# KiCad board Stream.kicad_pcb (continued)
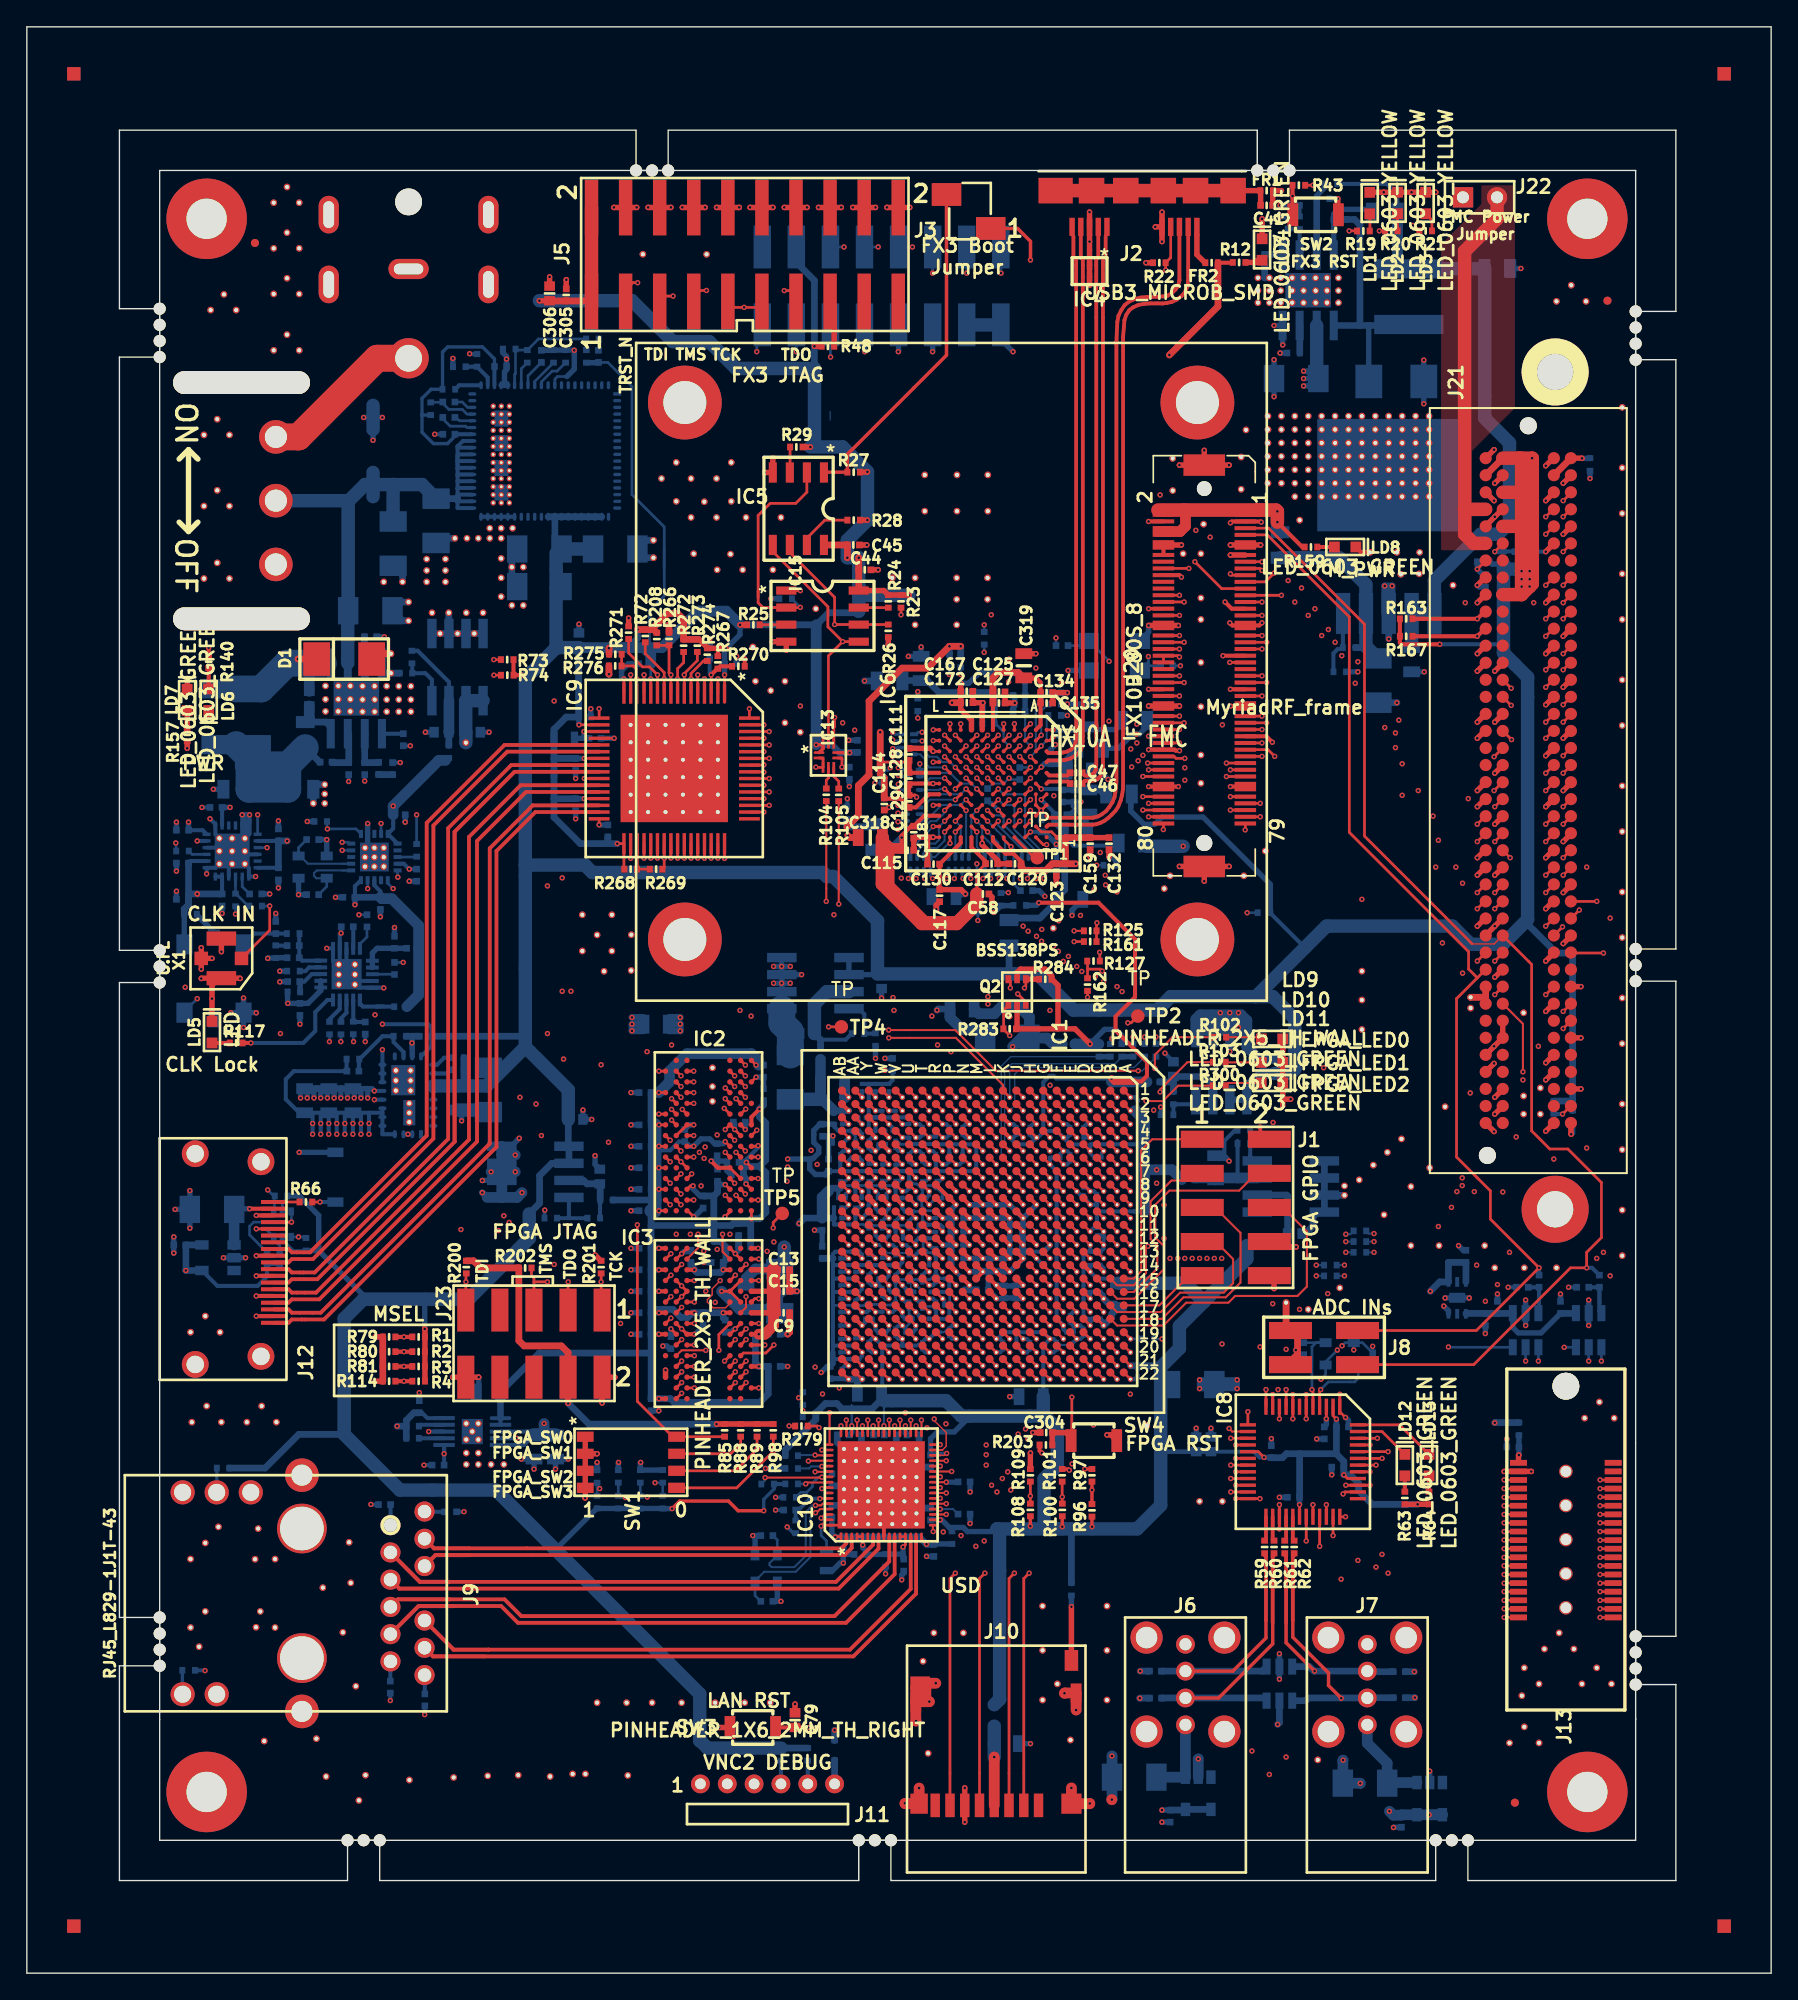
[diagram p0: board, top side]
## Routing (per net, layer and track width the routed paths; a pad name or vN(x,y) marks a point on that pad's centre or on a via; arc(x,y) is an arc through that point) (continued)
  Top w0.25: v1(83.6,101.65) 83.6,101.65 J20.28 ; v1(66.31,87.61) 66.17,87.75 C129.2 ; v1(64.26,86.85) 64.06,86.65 C114.2 ; v1(77.69,37.47) 77.6,37.56 R101.1 ; R97.1 v1(78.84,37.56)
  Top w0.28: GND_VIA#123.1 63.88,33.18 IC10.9
  Top w0.3: v1(89.7,108.05) 89.8,108.15 J20.5 91.95,108.15 v1(92,108.1) ; v1(85.9,91.07) 85.62,91.07 85.55,91.15 J20.62 83.6,91.15 ; v1(51,60.5) 51.5,60 IC2.E3 ; v1(89.65,100.6) 89.85,100.4 J20.83 91.85,100.4 v1(92.05,100.6) ; v1(89.3,102.15) 89.8,101.65 J20.27 ; v1(83.6,95.65) 83.6,95.65 J20.48 ; v1(92.82,91.7) 92.38,92.15 J20.57 ; v1(86.05,104) 85.9,104.15 J20.18 ; LD8.2 99.45,105.85 GND_VIA#211.1 ; v1(83.6,108.15) 83.6,108.15 J20.6 ; v1(17.1,50.45) J12.5 ; J20.85 v1(89.7,94.4) ; IC1.M13 IC1.M13 ; IC1.H12 IC1.H12 ; IC1.J15 IC1.J15 ; IC1.K3 IC1.K3 ; IC1.K16 IC1.L15 IC1.L15 ; IC1.R13 IC1.R13 ; IC1.N15 IC1.N15 ; IC1.P8 IC1.P8 ; IC1.J9 IC1.J9 ; v1(17.1,48.95) J12.2 ; IC1.K12 IC1.K12 ; v1(67.55,88.62) 65.82,88.62 C128.2 C129.2 ; IC1.C14 IC1.C14 ; IC1.N13 IC1.N13 ; IC1.N12 IC1.N12 ; IC1.M11 IC1.M11 ; IC1.L13 IC1.L13 ; IC1.L3 IC1.L3 ; J20.47 v1(89.7,95.65) ; IC3.J3 v1(49.75,47.6) ; IC1.M12 IC1.M12 ; J20.37 v1(89.15,98.15) ; LD11.2 93.6,65.7 ; IC1.H13 IC1.H13 ; IC1.K13 IC1.K13 ; v1(17.1,51.95) J12.8 ; IC1.K11 IC1.K11 ; J20.87 v1(89.7,88.4) ; IC1.N3 IC1.N3 ; R270.1 v1(53.5,97.91) ; v1(85.82,88.4) J20.88 v1(83.6,88.4) ; IC1.R9 IC1.R9 ; IC1.L10 IC1.L10 ; IC1.N10 IC1.N10 ; IC1.K10 IC1.K10 ; IC1.L11 IC1.L11 ; v1(17.1,56.45) J12.17 ; IC1.M10 IC1.M10 ; IC1.N11 IC1.N11 ; J20.12 J20.82 ; IC1.L12 IC1.L12 ; v1(17.1,53.45) J12.11
  Top w0.4: 113.75,79.84 v1(113.2,79.3) ; 115.07,81.07 v1(114.5,80.5) ; 115.07,77.28 v1(114.5,76.7) ; 113.81,76 v1(113.2,75.4) ; 113.75,83.66 v1(113.2,83.1) ; 115.07,84.88 v1(114.5,84.3) ; 113.76,87.47 v1(113.2,86.9) ; 115.07,88.68 v1(114.5,88.1) ; 113.77,91.28 v1(113.2,90.7) ; 115.05,92.54 v1(114.5,92) ; 113.79,95.08 v1(113.2,94.5) ; 115.06,96.36 v1(114.5,95.8) ; 113.8,98.89 v1(113.2,98.3) ; 115.06,100.17 v1(114.5,99.6) ; 113.81,106.5 v1(113.2,105.9) ; 115.07,107.78 v1(114.5,107.2) ; 113.81,110.31 v1(113.2,109.7) ; 115.07,111.58 v1(114.5,111) ; 113.76,112.86 v1(113.2,112.3) ; 108.68,78.57 v1(108.1,78) ; 109.98,78.57 v1(109.4,78) 108.73,77.32 J21.C12 ; 109.99,82.38 v1(109.4,81.8) ; 108.69,82.38 v1(108.1,81.8) ; 108.65,83.66 v1(108.1,83.1) ; 108.67,87.47 v1(108.1,86.9) ; 108.73,88.72 v1(108.1,88.1) ; 110,90 v1(109.4,89.4) ; 108.64,92.54 v1(108.1,92) ; 110,93.79 v1(109.4,93.2) ; 108.71,93.81 v1(108.1,93.2) ; 110,97.59 v1(109.4,97) ; 108.69,98.89 v1(108.1,98.3) ; 108.7,102.7 v1(108.1,102.1) ; 108.68,103.97 v1(108.1,103.4) ; 109.95,109.06 v1(109.4,108.5) 108.73,107.83 J21.C36 ; 109.96,74.76 v1(109.4,74.2) ; 113.79,68.41 v1(113.2,67.82) ; 113.8,67.15 v1(113.2,66.55) ; 113.81,63.33 v1(113.2,62.72) ; 113.77,72.22 v1(113.2,71.65) ; v1(55.6,112.88) 55.59,112.87 IC5.4 v1(55,111.8) ; v1(55.55,99.2) 55.56,99.19 IC15.4 v1(56.6,98.58) ; v1(110.1,37.38) 110.11,37.38 J13.3 112.12,37.38 v1(112.12,37.38) ; J1.10 92.95,51.62 v1(92.95,51) ; v1(43.82,44.4) 43.82,44.4 J23.2 v1(42.88,42.47) ; v1(31.75,44.4) 31.75,44.4 J23.10 33.67,44.4 v1(33.68,44.4) ; v1(67.55,91.03) 67.33,91.25 C111.2 ; C58.2 71.93,80.18 v1(71.93,79.78) ; 67.13,84.62 66.17,84.62 C118.2 C115.2 ; 67.13,84.62 v1(67.55,84.62) ; 67.13,84.62 C130.2 ; v1(67.78,79.25) 67.78,79.57 68.03,79.82 C117.2 ; v1(91.95,106.4) 91.95,106.4 J20.81 89.7,106.4 v1(89.7,106.4) ; v1(109.35,113.5) 108.73,112.88 J21.C40 ; J20.82 84.72,106.4 v1(86.05,106.4) ; J21.C5 109.35,69.04 v1(109.35,69.05) 109.99,69.69 J21.D6 110,70.96 ; v1(109.35,67.78) 108.73,67.15 J21.C4 ; v1(109.4,65.25) 110,65.84 J21.D3 ; v1(109.4,64) 110,64.59 J21.D2 ; v1(109.35,62.7) 108.73,63.32 108.73,63.34 ; v1(42.35,53.5) 42.78,53.07 R201.1 ; v1(85.9,94.4) 85.9,94.4 J20.86 83.6,94.4 v1(83.6,94.4) ; 108.73,72.7 J21.C8 ; SW2.1 97.7,131.05 v1(97.7,132.2) ; v1(83.6,100.4) 83.6,100.4 J20.84 85.82,100.4 ; v1(40.21,126.16) 40.2,126.15 C305.2 ; v1(13.55,93.3) 13.56,93.31 LD6.2 ; v1(74.8,38.75) 74.79,38.74 R109.1 ; v1(13,74.1) 13.03,74.12 X1.2 ; v1(15.9,74.1) 15.88,74.12 X1.2 ; X1.2 14.32,74.12 13.8,73.6 v1(13.8,72.6) LD5.2 ; v1(41.6,35.4) 41.62,35.42 SW1.4 SW1.3 SW1.2 ; v1(42.5,38.7) 42.5,38.69 SW1.2 ; 93.6,65.11 v1(93.6,64.62) ; 93.6,65.11 v1(94.19,65.11) ; 93.6,65.11 LD11.2 LD10.2 LD9.2 ; v1(80.5,40.1) 80.8,40.1 SW4.1 81.22,39.5 ; v1(43.75,131.55) 43.76,131.54 J5.4 45.44,131.54 v1(45.45,131.55) ; v1(48,131.55) 47.99,131.54 46.31,131.54 v1(46.3,131.55) ; v1(48.85,131.55) 48.86,131.54 50.54,131.54 v1(50.55,131.55) ; v1(53.1,131.55) 53.09,131.54 51.41,131.54 v1(51.4,131.55) ; v1(55.6,131.55) 55.59,131.54 53.91,131.54 v1(53.9,131.55) ; v1(56.45,131.55) 56.46,131.54 J5.14 58.14,131.54 v1(58.15,131.55) ; v1(60.7,131.55) 60.69,131.54 59.01,131.54 v1(59,131.55) ; v1(61.55,131.55) 61.56,131.54 63.24,131.54 v1(63.25,131.55) ; v1(65.8,131.55) 65.79,131.54 64.11,131.54 v1(64.1,131.55) ; C15.2 v1(57.4,50.8) ; v1(79.2,125.75) IC4.8 IC4.3 v1(79.2,127.85) v1(79.2,129) 79.2,130.65 ; J20.89 v1(85.9,82.45) ; J20.89 v1(89.6,82.45) ; J20.89 v1(87.75,81.35) ; J21.D39 v1(109.4,111) ; C79.2 v1(57.25,20.05) ; IC1.Y9 IC1.Y9 ; R26.2 v1(64.2,98.95) ; v1(69.9,13.8) J10.6 v1(69.9,11.25) ; J21.H6 115.81,69.69 ; J20.90 v1(87.75,113.45) ; J20.90 v1(89.6,112.35) ; J20.90 v1(85.9,112.35) ; J21.C38 v1(109.35,109.7) ; J21.H9 115.82,73.5 ; IC6.G1 71.2,94.6 v1(71.25,94.65) C172.2 C167.2 ; C125.2 C127.2 v1(73.62,94.62) ; C44.2 v1(63.45,104.55) ; v1(77.55,95.4) C134.2 C135.2 ; C120.2 C112.2 72.35,82.9 71.2,84.05 v1(71.2,84.18) ; C319.2 v1(75.2,98.3) ; SW1.2 SW1.1 ; J21.C28 v1(108.1,97) ; v1(93.5,132.8) FR1.2 92.85,132.78 C41.2 ; LD7.2 v1(11.95,96.45) ; X1.2 v1(14.5,76.1) ; J21.D19 v1(109.4,85.6) ; X1.2 v1(13.8,75.6) ; X1.2 v1(13,76.4) ; X1.2 v1(13,74.8) ; J2.5 v1(84.1,130.1) ; J2.5 v1(84.6,129) ; J2.5 v1(84.6,131.2) ; J2.8 v1(79.2,131.2) ; LD4.2 v1(92.06,130.7) ; J21.H3 v1(115.82,65.88) ; C306.2 v1(38.96,126.37) ; SW3.2 v1(51.6,18.3) ; C304.2 v1(74.97,40.28) ; C45.2 v1(62.6,106.4) ; R79.1 v1(25.95,47.4) ; IC3.N1 v1(47.6,44.93) ; J20.11 v1(89.7,105.65) ; C159.2 v1(79.25,83.15) ; 100.1,132.68 v1(101.12,132.68) v1(103.2,132.68) LD3.2 v1(105,132.68) ; J21.G32 v1(113.2,102.1) ; C132.2 v1(80.65,83.15) ; R22.2 v1(83.4,127.42) ; R114.1 v1(25.95,44.1) ; v1(76.72,81.18) C123.2
  Top w0.5: R79.1 R80.1 R81.1 R114.1 ; v1(47.84,100.44) 47.86,100.42 R266.2 ; v1(43.39,96.77) 43.38,96.78 R276.2 ; v1(61.18,84.76) 61.34,84.6 C318.2 ; v1(56.7,47.6) 56.85,47.75 C9.2 ; D1.1 26.1,98.3 GND_VIA#391.1 ; GND_VIA#58.1 108.73,72.7 J21.C9 ; J8.3 94.18,45.57 94.7,46.1 94.7,47.35 J8.1 93.85,48.2 GND_VIA#279.1 ; C13.2 C15.2
  Top w0.8: v1(67.26,20.23) 67.25,20.22 67,20.22 ; v1(66.27,18.78) 66.25,18.8 J10.0 ; v1(65.44,12.65) 65.47,12.62 J10.0 v1(66.5,13.79) ; v1(79.22,12.64) 79.21,12.62 J10.0 v1(77.85,13.8) ; v1(77.33,20.85) 77.35,20.88 J10.0 v1(78.2,19.6) ; v1(80.86,12.93) 80.86,12.92 ; J10.0 66.25,21.28 J10.0 ; J10.0 67,21.18 67,20.22 ; J10.0 v1(67.74,21.6) ; 67,20.22 J10.0
  Inner8.Cu w0.15: v1(75.6,86.62) IC6.B8 74.4,87.03 v1(74,87.43) ; v1(73.62,94.62) 73.2,94.2 v1(73.2,92.22)
  Inner4.Cu w0.1: v1(46,96.72) 45.97,96.72 ; IC1.G2 76.25,64.14
  Bottom w0.15: C168.2 71.97,88.62 72.8,88.62 v1(73.2,89.03) ; 63.53,54.25 64.12,53.65 64.47,53.65 64.65,53.47 C237.2 64.78,53.47 64.95,53.65 65.57,53.65 C289.2 ; 64.96,122.12 64.95,122.13
  Bottom w0.2: v1(73.2,89.03) 73.3,88.93 C48.2 ; v1(76.7,99.47) 76.7,99.47 C43.1 ; 65.47,48.03 65.47,48.1 66.03,48.65 C260.2 66.03,48.85 65.75,49.12 C174.2 ; C32.2 67.03,55.85 66.75,56.12 66.75,56.53 66.53,56.75 C33.2 ; IC1.N10 70.3,56.3 C240.2 ; IC1.M10 71.3,56.3 C239.2 ; IC1.L10 72.3,56.3 C235.2 ; IC1.K10 73.3,56.2 C231.2 ; 51.47,60.5 51.45,60.53 C27.2 ; v1(96.45,44.25) 96.79,44.59 XO2.2 96.79,45.54 v1(97.67,46.42) ; v1(98.02,46.74) 98.25,46.97 XO2.4 ; v1(94.57,46.42) 94.92,46.07 C61.1 ; 40.25,118.95 39.55,118.95 39.35,118.75 IC22.68 ; 78.2,86.75 78.21,86.76 ; v1(100.3,46.7) C60.1 99.54,46.97 XO2.4 ; C222.2 C223.2 ; C221.2 69.77,55.25 ; C42.1 v1(85.97,97.4) ; XO2.4 v1(98.89,46.43) ; R34.1 v1(71.35,100.45)
  Bottom w0.25: v1(57.52,42.87) 57.83,43.18 R107.1 ; IC1.C5 80.09,61.09 C258.2
  Bottom w0.3: C248.2 65.97,61.25 IC1.U5 66.53,61.25 C272.2 ; 77.97,48.25 C250.2 ; 77.97,48.25 78.03,48.25 C273.2 ; 77.97,48.25 IC1.E18 78.53,48.25 C279.2 ; C255.2 77.53,61.25 IC1.F5 77.03,61.03 C276.2 ; v1(84.5,64.53) 84.51,64.52 R134.2 ; C36.2 62.97,61.25 IC1.Y5 63.47,61.47 C280.2 ; IC1.Y15 63.47,51.47 C288.2 ; IC1.Y15 62.97,51.25 C251.2 ; IC1.Y15 63.53,51.25 C242.2 ; C232.2 78.97,63.25 IC1.D3 ; C236.2 77.53,63.25 IC1.F3 ; C245.2 74.97,63.25 IC1.H3 ; C256.2 69.97,63.25 IC1.N3 ; C261.2 66.53,63.25 IC1.U3 ; C274.2 60.97,65.25 IC1.AB1 ; C285.2 63.25,56.97 IC1.Y9 ; C293.2 61.25,60.53 IC1.AB6 ; C233.2 60.97,44.25 IC1.AB22 ; C246.2 63.25,47.95 IC1.Y18 63.03,48.47 C185.2 ; C257.2 68.97,47.25 IC1.P19 ; C262.2 64.97,48.25 IC1.V18 65.47,48.03 C277.2 ; C271.2 66.97,46.25 IC1.T20 ; C284.2 76.53,46.25 IC1.G20 ; C290.2 72.53,46.25 IC1.L20 ; C292.2 74.53,47.25 IC1.J19 ; C234.2 82.55,44.25 IC1.A22 ; C243.2 80.25,52.53 IC1.C14 ; C247.2 80.25,50.53 IC1.C16 ; C252.2 80.25,48.53 IC1.C18 ; C253.2 82.57,65.25 IC1.A1 ; v1(38.6,56.85) 38.58,56.83 R153.2 ; v1(33,120.65) 33.03,120.62 R165.1 ; IC1.W3 64.53,62.97 C266.2 ; C270.2 68.53,63.25 IC1.R3 ; C291.2 63.25,54.97 IC1.Y11 ; IC1.R11 68.25,55.57 68.07,55.75 C32.2 ; C267.2 62.97,46.25 IC1.Y20 ; IC1.H13 75.7,52.8 C187.2 ; C11.2 52.15,47.85 52.53,47.85 52.68,48 v1(52.8,48) ; C241.2 73.53,63.25 IC1.K3 ; C230.2 73.25,54.7 IC1.K12 ; C229.2 73.25,53.52 IC1.K13 ; C228.2 72.7,53.25 IC1.L13 ; 71.7,53.25 C227.2 71.7,53.25 ; 71.7,53.25 IC1.M13 ; C226.2 70.7,53.25 IC1.N13 ; v1(49.75,47.6) 50.4,48.25 C196.2 ; v1(84.82,68.54) 85.45,67.91 C149.2 ; 23.32,74.89 23.82,75.39 U2.3 ; 23.32,74.89 23.32,76.35 U2.2 23.32,77.38 v1(23.42,77.48) 23.43,77.49 C310.2 ; 23.32,74.89 22.82,75.39 U2.1 v1(22.35,76.35) ; 24.45,73.89 24.48,73.92 U2.9 ; v1(23.98,88.78) 23.99,88.79 R144.2 ; v1(32.58,34.38) 32.57,34.37 C82.1 ; v1(25.64,34.92) 25.65,34.91 C83.1 ; v1(29.65,19.26) 29.66,19.27 C85.1 ; C238.2 80.25,53.97 IC1.C12 80.25,54.75 ; C263.2 79.53,58.25 IC1.D8 78.97,58.53 C275.2 ; 80.25,54.75 80.25,54.95 80.22,54.97 C268.2 ; 80.25,54.75 IC1.C11 ; 89.25,60.85 89.25,60.7 89.25,62 90.05,62.8 R99.2 ; GND_VIA#417.1 15.05,82.39 IC12.22 ; GND_VIA#67.1 14.05,84.84 IC12.7 14.05,85.6 v1(13.65,86) ; GND_VIA#415.1 16.55,84.84 IC12.12 16.55,85.65 16.6,85.7 16.6,85.9 ; GND_VIA#415.1 16.05,84.74 IC12.11 v1(16.05,86.3) ; GND_VIA#415.1 16.6,84.89 16.6,85.9 ; 16.6,85.9 v1(16.6,86.3) ; GND_VIA#414.1 16.49,83.35 IC12.16 ; GND_VIA#416.1 16.55,82.34 IC12.19 v1(17.05,81.7) ; GND_VIA#68.1 14.09,83.85 IC12.4 ; GND_VIA#66.1 14.06,82.35 IC12.1 v1(13.4,81.9) ; v1(26.6,73.4) 26.58,73.42 U2.10 24.68,73.42 GND_VIA#133.1 ; C194.2 v1(30.4,114.65) ; C154.2 v1(29.6,37.85) ; C171.2 v1(114.9,51.1) ; IC23.3 v1(28.4,62.5) IC23.2 ; C35.2 v1(60.07,62.38) ; IC16.8 v1(29.95,40.35) ; IC22.38 IC22.37 IC22.36 IC22.35 IC22.34 IC22.33 ; C92.2 v1(55.8,34.5) ; R196.2 v1(113.2,105.9) ; IC16.4 v1(36.5,39.85) ; IC1.Y12 63.53,54.25 ; C141.2 v1(28.58,91.44) ; C73.2 v1(50.89,99.39) ; C308.2 v1(25.22,69.4) ; C142.2 v1(27.83,90.19) ; C143.2 v1(25.18,88.81) ; IC23.8 v1(25.9,65.07) ; C203.2 v1(110.4,51.1) ; v1(25.9,65.72) IC23.9 ; C84.1 v1(27.09,20.31) ; C108.2 v1(13.05,86.85) ; R110.1 v1(55.8,35.45)
  Bottom w0.4: C70.2 44.82,97.55 44.32,97.05 44.32,96.6 v1(44.5,96.42) ; 60.85,31.2 v1(60.85,30.55) 60.6,30.55 60.04,29.99 R82.1 ; 60.85,31.2 C315.2 ; 60.85,31.2 C180.2 ; v1(97.25,37.12) 97.25,37.13 C66.2 ; v1(96.12,39.8) 96.13,39.8 C63.2 ; v1(98.27,41.4) 98.5,41.18 C64.2 ; C126.2 73.62,95.08 v1(73.62,94.62) 73.62,94.4 73.5,94.28 C165.2 ; v1(76.65,91.53) 76.3,91.18 C122.2 ; C119.2 76.98,92.62 v1(76.47,92.62) ; C6.2 49.75,56.35 v1(49.7,56.35) ; C12.2 49.38,63.2 v1(49.7,63.2) ; 51.47,60.5 52.08,60.5 C25.2 52.18,59.78 C23.2 ; 51.47,60.5 C21.2 51.47,60.03 ; 51.47,60.5 v1(51,60.5) ; C34.2 52.75,63.3 v1(52.75,62.85) ; v1(108.1,103.4) 108.22,103.28 R198.2 ; 69.77,53.25 C224.2 ; 69.77,53.25 69.77,54.25 ; 69.77,53.25 IC1.N13 IC1.K13 IC1.K12 IC1.K10 IC1.N10 69.77,56.25 ; 69.77,54.25 69.77,55.25 ; 69.77,54.25 IC1.N12 ; 69.77,55.25 69.77,56.25 ; 69.77,55.25 IC1.N11 ; 69.77,56.25 C220.2 ; v1(41.45,64.3) 41.45,64.3 C150.2 v1(42.1,63.6) ; C199.2 32.4,64 v1(32.4,63.5) ; C40.2 59.32,62.38 v1(60.07,62.38) 60,62.38 59.75,62.12 C39.2 ; IC1.AB22 61.2,44.3 C186.2 ; v1(47.4,46.72) 47.7,46.72 47.9,46.53 C31.2 ; C18.2 49.4,53.75 48.95,53.75 v1(48.8,53.6) ; v1(89.65,71.55) 89.65,71.54 IC20.7 ; v1(88.95,71.55) 88.38,70.99 IC20.6 ; v1(52.8,53.6) 53.05,53.85 C28.2 ; C166.2 33.68,43.47 v1(33.68,44.4) ; v1(33.95,59.05) 33.96,59.06 IC21.6 ; v1(36.7,62.2) 36.1,61.6 IC21.8 ; C177.2 42.35,60.25 v1(42.35,60.9) ; v1(12.15,58.3) 12.15,58.3 C197.2 ; v1(12.15,55.5) 12.15,55.5 C197.2 ; v1(92.95,117.45) 92.95,117.45 C155.2 92.95,120.2 v1(92.95,120.2) ; v1(93.6,121.3) 93.59,121.31 U7.4 v1(92.95,122.75) ; v1(105.7,50.3) 105.71,50.31 U8.7 107.49,50.31 v1(107.5,50.3) ; v1(105.6,49.7) 105.95,49.35 U8.3 ; v1(106.7,54.2) 107.05,53.85 C169.2 ; v1(65.2,29.3) 65.2,29.65 65.35,29.8 C179.2 ; XO1.2 83.6,99.9 v1(83.6,100.4) ; v1(75.87,80.22) 75.44,80.65 C153.2 ; 78.3,87.01 v1(78.55,87.26) 78.54,87.25 C136.2 C138.2 ; v1(80.58,88.93) 79.95,89.56 C124.2 ; R30.2 81.18,82.86 80.89,83.15 v1(80.65,83.15) ; v1(40.21,126.16) 40.2,126.16 ; C301.2 88.8,60.7 89.4,60.7 89.25,60.85 v1(89.6,60.5) ; v1(26.65,99.55) 26.64,99.56 R130.2 ; U3.4 26.46,97.96 26.8,98.3 GND_VIA#391.1 ; 40.25,118.95 40.8,119.5 v1(40.8,120.9) 40.78,120.92 R170.2 R171.1 39.23,120.9 C190.2 ; 35.6,118.3 IC22.61 ; 35.6,118.3 35.6,119.3 35.75,119.45 C191.2 v1(35.75,120.25) 35.75,120.45 35.48,120.72 R177.2 ; 35.6,118.3 IC22.60 ; v1(56.25,73.75) 56.27,73.73 IC19.6 IC19.5 ; v1(56.25,73.75) 56.27,73.77 IC19.7 ; v1(56.25,73.75) v1(56.9,73.75) ; v1(56.25,73.75) v1(55.65,73.75) ; v1(56.25,75) 56.27,74.98 IC19.7 ; v1(56.25,75) v1(56.9,75) ; v1(56.25,75) v1(55.65,75) ; v1(56.25,75) 56.25,75.64 IC19.8 ; 56.27,70.78 57.05,70 C148.2 ; 88.5,43.55 v1(87.4,43.55) 87.4,43.9 ; 88.55,43.55 v1(90.2,43.55) 90.2,43.9 ; 87.4,43.9 v1(87.4,44.2) 88.5,44.2 ; 87.4,43.9 90.2,43.9 ; 90.2,43.9 v1(90.2,44.2) 88.55,44.2 ; 20.9,65.9 v1(20.9,65.2) ; 21.4,65.9 v1(21.4,65.2) ; 22.9,65.9 v1(22.9,65.2) ; 22.4,65.9 v1(22.4,65.2) ; 24.4,65.9 v1(24.4,65.2) ; 23.9,65.9 v1(23.9,65.2) ; 24.9,65.9 v1(24.9,65.2) ; 20.4,65.9 v1(20.4,65.2) ; v1(25.9,65.72) 25.72,65.9 25.4,65.9 ; 25.4,65.9 v1(25.4,65.2) ; 25.4,65.9 C205.2 ; v1(28.7,69.3) 28.72,69.28 28.72,68.9 ; 28.72,68.9 28.72,69.8 ; 28.72,68.9 IC23.15 ; v1(18.85,73.85) 18.87,73.87 C97.2 ; v1(17.95,75.6) 17.98,75.63 R112.2 18.57,75.65 C96.2 ; v1(15.2,71.55) 15.21,71.56 XO5.2 ; v1(17.1,71.55) 17.09,71.56 XO5.2 ; GND_VIA#59.1 25.4,84.04 IC11.7 v1(25.4,85.65) ; v1(44.1,38.05) 44.08,38.03 R93.1 ; v1(45.75,38.05) 45.72,38.02 R91.1 R87.1 ; C113.2 77.75,86.3 78.21,86.76 78.26,86.76 ; C121.2 79.15,94.55 v1(77.55,94.55) R32.1 ; v1(77.9,78.8) 77.9,79.2 C321.2 ; v1(89.65,68.65) 89.65,68.66 IC20.7 ; 54.27,32.6 v1(54.1,32.6) ; 54.27,32.6 XO3.4 ; 54.27,32.6 C80.1 ; 55.9,27.7 55.93,27.7 XO3.2 ; 55.9,27.7 v1(56.2,27.7) ; 55.9,27.7 C81.1 ; v1(101.85,10.85) 101.87,10.87 C55.2 ; v1(62.45,120.8) 62.43,120.82 J4.8 ; v1(64.95,120.8) 64.97,120.82 J4.10 ; v1(67.5,120.8) 67.51,120.81 J4.12 ; v1(73.5,120.8) 72.59,121.71 J4.16 ; v1(26.5,115.9) C164.2 ; v1(111.7,50.15) U10.2 v1(111.7,48.25) ; C316.1 v1(22.35,84.45) XO4.4 ; R46.2 v1(66.4,95.47) ; C88.2 v1(70.3,33.5) ; IC1.J15 73.7,51.25 C249.2 C244.2 72.8,51.25 IC1.L15 ; v1(93.35,21.9) IC7.2 v1(93.35,23.8) ; C3.2 v1(45.03,54) ; C110.2 v1(18.75,80.85) ; C197.2 v1(11.05,56.9) ; XO5.2 v1(16.15,72.65) ; XO5.2 v1(16.15,70.45) ; R156.2 v1(99.2,96.95) ; 21.9,65.9 v1(21.9,65.2) ; C59.2 v1(88.25,40.6) ; R52.2 v1(97.7,132.2) ; C99.2 v1(18.1,80.4) ; C299.2 v1(73.25,42.95) ; v1(56.7,47.6) C24.2 ; C105.2 v1(14.55,78.95) ; C162.2 v1(111.35,127) ; C4.2 v1(45.03,58.4) ; IC1.N15 70.25,50.9 ; C77.2 v1(43.78,92) ; v1(104.11,116.92) D10.1 v1(104.11,120.17) ; v1(90.3,71.55) v1(90.3,70.45) 89.93,70.08 IC20.7 ; C314.2 v1(67.05,31.05) ; v1(37.8,37.55) C158.2 v1(36.85,38.3) ; v1(58.7,55.35) C38.2 C195.2 ; R121.1 v1(18.85,74.65) ; C178.2 v1(29.7,92.45) ; C49.2 v1(84.6,11.25) ; 23.4,65.9 v1(23.4,65.2) ; C17.2 v1(45.03,65.6) ; C164.2 v1(25.1,115.9) ; C164.2 v1(25.8,114.2) ; C71.2 v1(52.9,98.1) ; C5.2 v1(47.1,41.9) ; C93.2 v1(11.15,80.6) ; C20.2 v1(56.7,45.2) ; C157.2 v1(93.4,131.7) ; C176.2 v1(34.45,92.45) ; D7.1 v1(20.3,61.15) ; C72.2 v1(41.15,100.5) ; v1(54.35,66.75) C30.2 C29.2 ; C173.2 v1(114.3,50.6) ; R277.2 v1(20.9,85.8) ; C75.2 v1(40.9,86) ; v1(71.25,94.65) 71.25,94 C131.2 C133.2 ; IC19.7 v1(57.74,74.39) ; C22.2 v1(45.03,47.6) ; XO1.4 v1(77.6,97.05) ; C67.2 v1(93.35,35.45) ; GND_VIA#415.1 16.25,86.1 v1(16.05,86.3) v1(16.6,86.3) ; C2.2 v1(45.03,56.8) ; U5.2 v1(104.55,15.05) ; R115.2 v1(55.45,102.4) ; IC20.8 90.93,70.18 ; R95.1 v1(42.5,38.05) ; C139.2 v1(75.6,86.62) ; v1(63.7,72.65) C146.2 ; C57.2 v1(110.3,39.8) ; v1(116.4,48.25) U9.2 v1(116.4,50.15) ; v1(42.65,85.55) C69.2 ; v1(66.65,98.8) C320.2 v1(65.7,98.1) ; C123.2 v1(76.72,81.18) ; C145.2 v1(13.9,88.2) ; v1(14.65,53.3) U6.2 v1(16.3,53.3) ; C8.2 v1(45.03,60) ; C78.2 v1(42.02,94.2) ; C68.2 v1(92.75,39.82) ; C101.2 v1(26.35,78.7) ; C152.2 v1(104.15,96.95) ; C7.2 v1(45.03,52.4) ; C109.2 v1(18.75,85.85) ; v1(10.95,54.85) C198.2 v1(10.95,53.65) ; C307.2 v1(27.4,77.9) ; C10.2 v1(45.03,61.6) ; R49.2 v1(93.4,120.7) ; C106.2 v1(11.15,82.1) ; C62.2 v1(87.15,40.6) ; C90.2 v1(70.3,35.85) ; C100.2 v1(23,80.15) ; R133.2 v1(63.25,68.15) ; R31.2 v1(77.55,93.7) ; C208.2 v1(61.25,91.85) ; C74.2 v1(40.9,89) ; C26.2 v1(50.45,52.95) ; C219.1 v1(20.25,80.35) XO4.2 ; C37.2 v1(63.95,68.15) ; C204.2 v1(109.6,50.6) ; C160.2 v1(93.4,130.85) ; C94.2 v1(18.55,78.95) ; C209.2 v1(61.3,88.4) ; C151.2 v1(29.25,43.25) ; C98.2 v1(20.35,70.7) ; C102.2 v1(28.5,81.35) ; C107.2 v1(11.15,85.75) ; C103.2 v1(28.2,85.75) ; C16.2 v1(45.03,49.2) ; C170.2 v1(108.7,47.65) ; C14.2 v1(45.03,63.2) ; C1.2 v1(45.03,50.8) ; C65.2 v1(74.8,17.1) ; v1(39.4,37.55) C163.2 v1(40.35,38.3) ; v1(77.55,95.4) R33.1
  Bottom w0.5: C225.2 69.87,50.9 C254.2 ; 34.31,57.79 v1(33.95,58.15) ; GND_VIA#91.1 60.65,36.3 C86.2 ; GND_VIA#105.1 60.6,34.85 C313.2 ; GND_VIA#77.1 60.4,39.55 C91.2 ; GND_VIA#78.1 62.2,39.45 C175.2 ; GND_VIA#80.1 64.8,39.35 C89.2 ; GND_VIA#83.1 66.5,39.25 C104.2 ; GND_VIA#84.1 66.75,37.7 C87.2 ; GND_VIA#111.1 66.8,34.65 C76.2 ; GND_VIA#269.1 92.25,126.3 C156.2 ; v1(43.39,96.77) 43.38,96.77 ; v1(57.4,50.8) 56.5,50.8 56.11,50.41 C211.2 ; v1(67.83,71.74) 67.92,71.83 C303.2 ; v1(103.44,20.53) 103.43,20.52 C53.2 ; v1(82.94,20.48) 82.95,20.49 C54.2 ; C202.1 36.15,103.7 GND_VIA#378.1 36.15,105.7 C201.1 ; IC18.6 IC18.7 IC18.8 ; IC18.6 31.45,99.81 GND_VIA#393.1 ; IC18.6 IC18.5 ; C189.1 30.85,106.9 GND_VIA#402.1 ; C188.1 28,104.15 GND_VIA#386.1 ; 61.9,44.25 IC1.AB22 ; 61.9,44.25 C298.2 ; 61.9,44.25 IC1.AA22 ; IC14.7 96.72,57.95 GND_VIA#363.1 ; IC14.7 IC14.8 96.2,56.7 95.85,56.35 95.85,55.65 95.3,55.1 C259.2 ; IC14.7 IC14.6 IC14.5 ; v1(102.1,94.65) 102.1,94.65 C181.2 ; v1(101.2,103.35) 101.2,101.3 ; v1(101.2,103.35) 101.5,103.05 IC24.3 v1(101.5,99.4) ; v1(101.2,103.35) v1(101.75,103.35) 101.75,101.3 ; C205.2 C206.2 C207.2 ; C200.1 R181.2 ; C116.2 78.9,85.27 78.9,86.1 78.26,86.74 78.26,86.76 78.05,86.97 C136.2 ; C317.2 67.78,79.88 v1(67.78,79.25) ; IC1.C16 80.65,49.85 81.1,49.85 C300.2 80.85,49.1 80.85,48.85 IC1.C18 ; C51.2 v1(82.98,22.5) ; R5.2 GND_VIA#134.1 26.8,96.85 ; GND_VIA#397.1 46.15,106.75 C182.2 46.15,105.45 GND_VIA#380.1 ; C56.2 v1(103.41,22.46) ; 87.12,70.08 IC20.6 IC20.7 IC20.8 ; GND_VIA#390.1 28,100.75 C140.2 27.9,102.15 GND_VIA#389.1 ; C210.2 54.51,49.46 ; C19.2 C28.2
  Bottom w0.8: IC20.8 90.93,69 91.8,68.12 C147.2 ; IC20.8 90.93,70.97 90.5,71.4 87.45,71.4 87.12,71.06 87.12,70.08 ; IC20.8 90.15,70.85 89.1,70.85 ; v1(36.9,58.15) 36.54,57.79 IC21.5 ; 35.4,60.95 IC21.7 35.4,59.7 ; 35.4,60.95 v1(36.4,60.95) ; 35.4,60.95 IC21.8 ; 35.4,59.7 IC21.6 IC21.5 ; 35.4,59.7 v1(34.6,59.7) ; 35.4,59.7 v1(36.4,59.7) ; C211.2 55.81,49.46 53.12,49.46 v1(51.78,50.8) ; v1(80.87,16.18) 80.88,16.17 C50.2 80.88,12.95 v1(80.86,12.93) ; v1(87.31,15.96) 87.3,15.95 U4.2 ; v1(99.38,14.14) 99.37,14.15 C52.2 98.08,15.85 v1(98.1,15.87) ; 60.97,65.25 60.95,65.22 C296.2 ; 87.12,70.08 87.49,70.45 v1(90.3,70.45) ; 87.12,70.08 87.89,70.85 89.1,70.85 ; IC20.6 89.16,70.85 89.25,70.85 89.1,70.85 ; 71.42,69.66 70.78,70.3 69.7,70.3 68.8,71.2 C303.2 ; IC21.5 34.31,57.79
  Bottom w1: C218.2 34.25,64.3 C199.2 ; J4.14 J4.16
  Bottom w2: C216.2 56.9,70.15 56.27,70.78 IC19.5
